# Altium PCB CSUEAF4 - 副本.PcbDoc (continued)
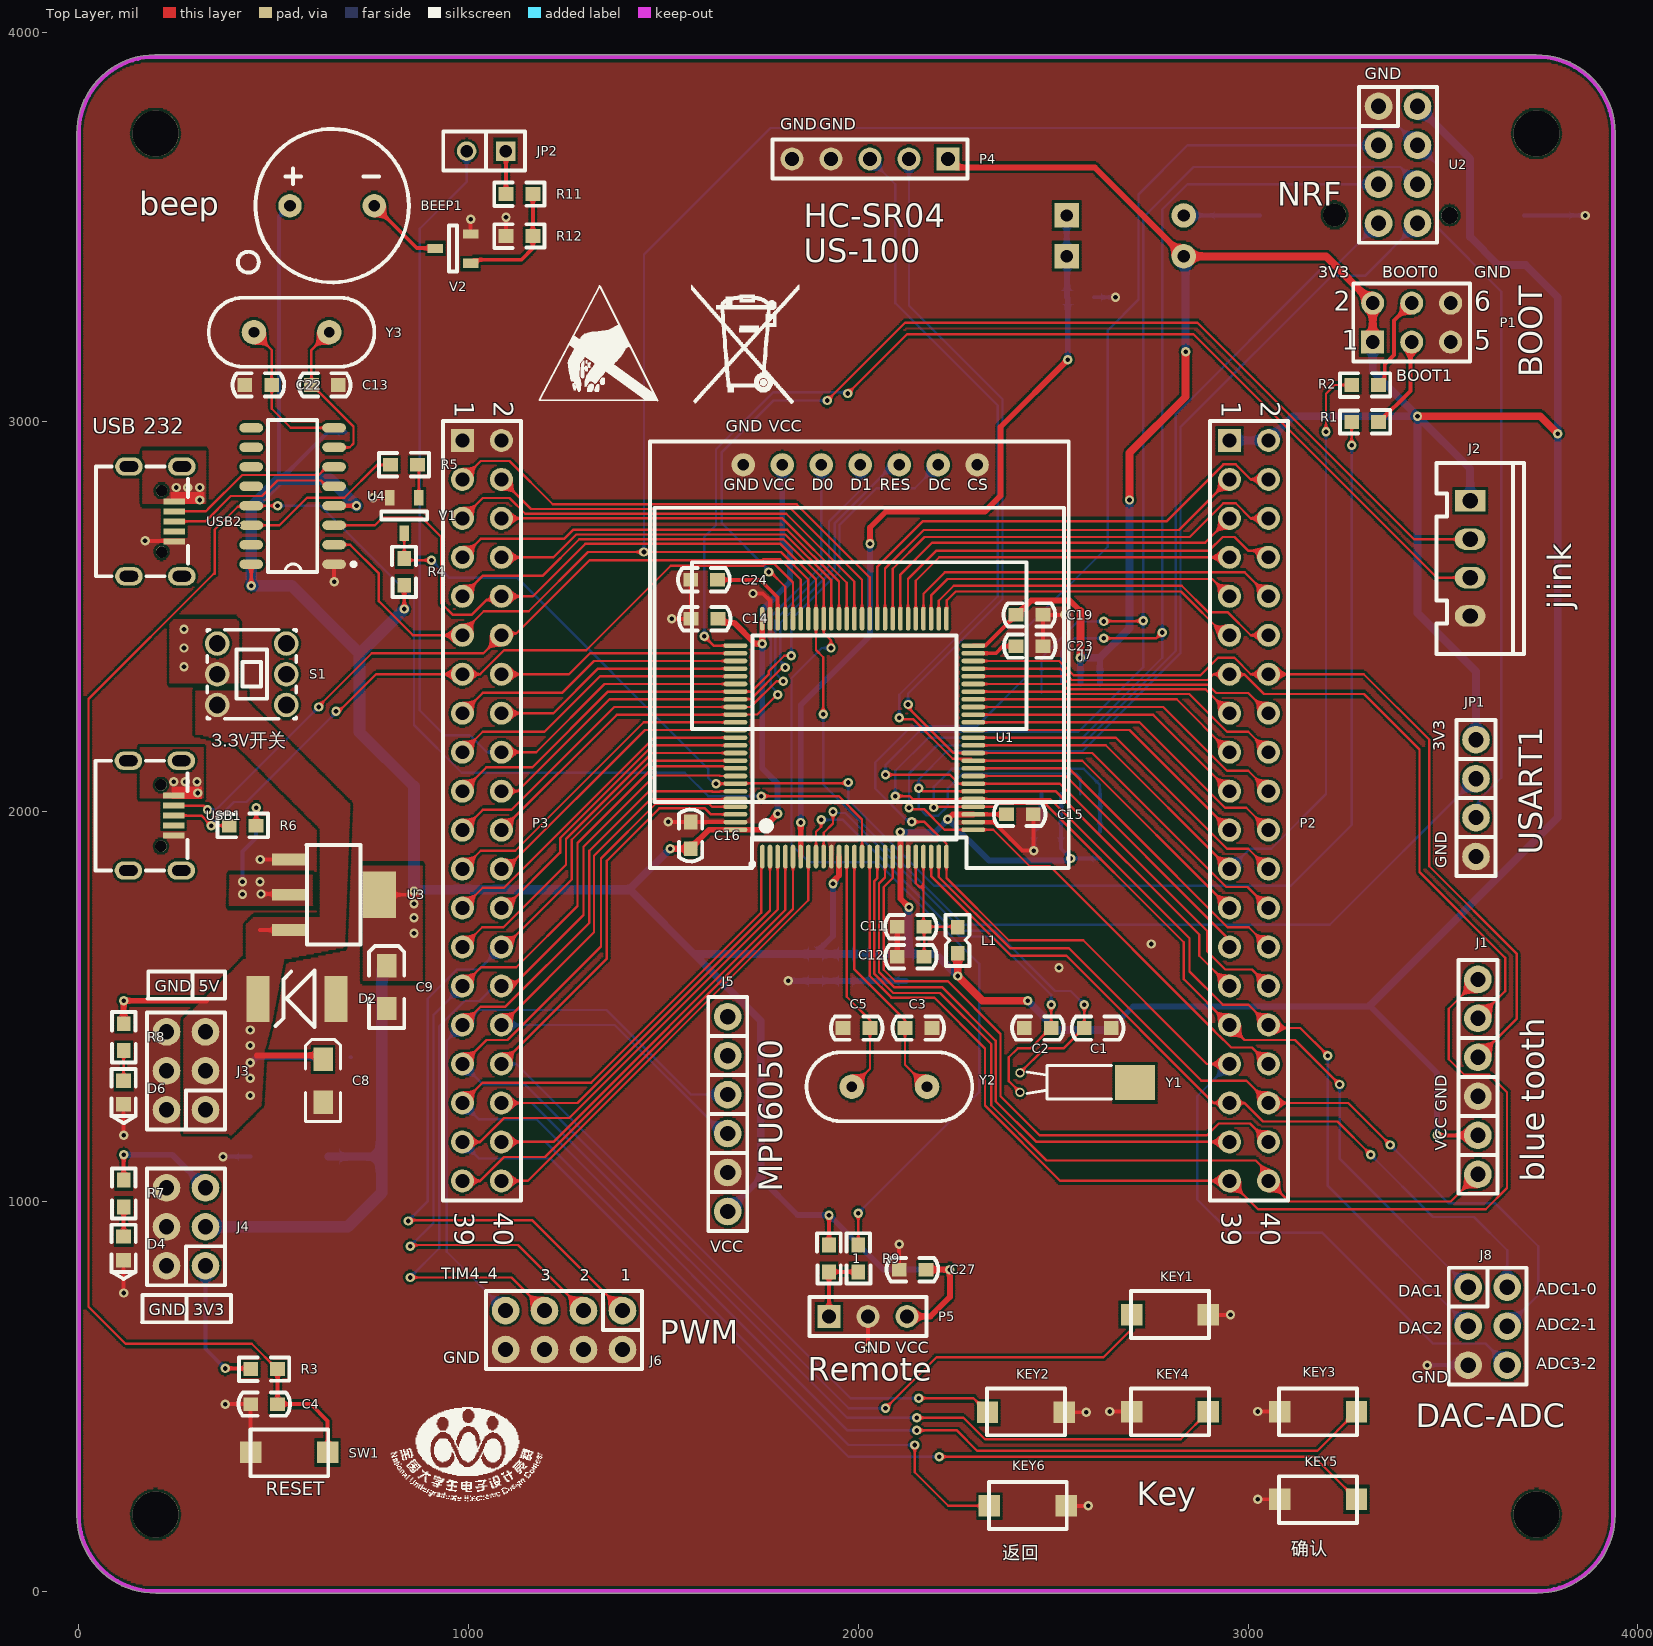
[diagram p0: Top Layer view]
## Free pads (board coordinates) (continued)

## Via types
v1: diameter 24, hole 12, Top Layer to Bottom Layer, tented both sides, 133 vias

## Nets (pads, with @x,y where several pads share a name; then routed paths per layer and width w, separated by ;. In a path a pad name is that pad's centre, name@x,y a point inside that pad or via, vN(x,y) a via of type N, cw(c..) or ccw(c..) an arc to the next point about the centre after c; other vN are vias at no path point)
3V3: 1.1 BEEP1.1 C7.2 C9.1 C10.1 C14.2 C15.2 C16.2 C17.2 C18.2 C19.2 C20.2 C21.2 C26.1 C27.1 D1.2 D5.2 J1.2 J2.1 J4.1 J4.3 J4.5 J5.6 J7.2 JP1.1 L1.2 P1.1 P1.2 P2.1 P2.2 P4.1 P5.3 R3.1 R4.2 R6.1 R7.2 R10.2 U1.11 U1.19 U1.28 U1.50 U1.75 U1.100 U2.2 U3.2 U4.4 U4.16 U5.3 U5.7 U5.8 | length 21256.4
  Top Layer w10: R7.2 v1(115,1120) ; v1(375.58,571.57) 429.43,571.57 436,565 R3.1 ; v1(442.4,2580) U4.16 ; R6.1 v1(455,2010) ; v1(467.5,1788.9) 536.91,1788.9 U3.2@538.86,1786.95 ; U4.4 v1(712.4,2785) ; U3.2@771.14,1786.95 870,1786.95 ; v1(835,2520) R4.2 ; C16.2 C16.2@1569.78,1906.5 ; C14.2 C14.2@1641.5,2495 ; U1.75 U1.75@1753.78,2516.54 ; 1.1 v1(1925,965) ; U1.28 C15.2 ; U1.50 2326.22,2426.22 C19.2 ; v1(3485,1169.69) J1.2
  Top Layer w15: v1(1517.22,1905) C16.2 ; C16.2@1569.78,1906.5 1617.06,1953.78 U1.100 1751.93,1953.78 v1(1793.15,1995) ; C14.2 1650,2485 1681.5,2485 1735.28,2431.22 v1(1753.78,2431.22) U1.75 ; v1(1935,1815) 1935,1820.49 1950.63,1836.12 U1.11 ; v1(2108.11,1948.11) U1.19 2108.39,1884.6 2108.39,1776.61 v1(2130,1755) ; P5.3 2185,705 2235,755 v1(2235,825) C27.1 ; v1(2230,1980.32) 2242.56,1992.87 2294.84,1992.87 U1.28 ; P4.1 2252.03,3652.97 2607.03,3652.97 D5.2 ; C19.2 2406.5,2505 2443.72,2542.22 2542.78,2542.22 2570,2515
  Top Layer w20: L1.2 v1(2255,1578.63) 2318.63,1515 v1(2435,1515) ; v1(2570,2395) 2570,2515 ; v1(2695.83,2800) 2695.83,2920.83 2840,3065 v1(2840,3180) ; D5.2 3200,3425 P1.2 P1.1 ; v1(3435,3015) 3750,3015 v1(3795,2970)
  Bottom Layer w10: J4.1 325,622.16 v1(375.58,571.57) ; v1(420,1820) 420,1897.5 455,1932.5 v1(455,2010) ; 513.76,2865 513.76,3527.02 BEEP1.1 ; 517.76,2852.76 638.5,2973.5 685,2973.5 C10.1 ; C7.2@777,1592.5 789.5,1605 C7.2 ; J5.6@1671.55,967.68 J5.6 1675,974.23 J5.6@1675,984.23 ; U5.3 C26.1 2520,1905 v1(2545,1880) R10.2
  Bottom Layer w15: v1(115,1120) 240,1120 J4.5 ; J5.6@1675,984.23 1750,1059.23 1844.23,965 v1(1925,965) 2065,825 v1(2235,825) ; v1(1793.15,1995) 1793.15,2071.85 1753.78,2111.22 v1(1753.78,2431.22) 1753.78,2518.31 1825,2589.53 1825,2669.5 1805,2689.5 J7.2 ; C18.2 1890.44,1636.5 1935,1681.06 v1(1935,1815) 1937.44,1815 v1@1942.44,1820 ; v1(2108.11,1948.11) 2197.8,1948.11 v1(2230,1980.32) 2335.82,1874.5 2537.06,1874.5 2542.56,1880 v1(2545,1880) ; U5.7 v1(2570,2395) ; U5.8 2620,2395 ; 2645,1440 2705,1500 3310,1500 ; 3312.5,1502.5 3485,1330 v1(3485,1169.69)
  Bottom Layer w20: D1.2 777,1115 780,1115 ; 1407.22,1800 1410.51,1803.29 1413.01,1800.79 ; 1409.72,1797.5 1413.01,1800.79 ; v1(1517.22,1905) 1413.01,1800.79 ; 1580,1635 C18.2 C20.2 C17.2 C21.2 ; 1750,1059.23 1750,1463.8 1596.22,1617.58 1413.01,1800.79 ; v1(2130,1755) 2129.23,1754.23 2129.23,1641.43 C21.2 ; v1(2255,1578.63) 2198.63,1635 C21.2 ; v1(2435,1515) 2510,1440 2645,1440 ; v1(2570,2395) 2620,2395 2695.83,2470.83 v1(2695.83,2800) ; D5.2 2840,3420 2835,3415 2840,3410 v1(2840,3180) ; P2.1 P2.2 3115,3015 v1(3435,3015) ; 3312.5,1502.5 3795,1985 v1(3795,2970) 3795,3320 3712.5,3402.5 3642.5,3402.5 3570,3475 3570,3675 U2.2 ; P1.1 3320,3130 v1(3435,3015) ; J2.1 3558.19,2797.52 3570,2809.33 3570,2880 v1(3435,3015) ; JP1.1 3585,2360 3435,2510 v1(3435,3015)
  Bottom Layer w25: v1(860,1796) 868,1796 872,1800 963.57,1800 964.36,1800.78 1004.15,1800.78 1004.93,1800 1063.57,1800 1064.36,1800.78 1104.15,1800.78 1104.93,1800 1407.22,1800
  Bottom Layer w30: J4.3 690,935 777,1022 777,1115 C7.2@777,1592.5 ; 513.76,2852.76 442.4,2781.4 v1(442.4,2580) 546.05,2580 668.7,2457.35 720.52,2405.53 v1(835,2520) ; 517.76,2852.76 644.65,2852.76 v1(712.4,2785) ; 720,2396 720,2204.67 860,2064.67 v1(860,1796)
  other v1: 860,1688 860,1728 860,1764 420,1788 465,1820
5V: C6.2 C8.1 D2.2 J3.1 J3.3 J3.5 R8.2 S1.3 U3.3 | length 713.7
  Top Layer w10: 465,1696.95 465.55,1696.4 U3.3
  Top Layer w15: R8.2 v1(115,1515) 325.92,1515 326.92,1516 ; 456.36,1374.64 617.27,1374.64 C8.1
  Bottom Layer w15: v1(440,1356) 442.44,1356 456.44,1370 C6.2
  other v1: 440,1272 440,1316 440,1400 440,1440
ADC1_CH0: J8.2 P2.35 U1.23 | length 2020.4
  Top Layer w6: U1.23 2186.85,1835.43 2391.77,1630.51 2534.06,1630.51 2911.81,1252.76 P2.35 2990.92,1252.76 3038.68,1205 3230,1205 v1(3315,1120)
  Bottom Layer w6: v1(3315,1120) 3475,960 3580,960 3665,875 J8.2
ADC2_CH1: J8.4 P2.36 U1.24 | length 2221.3
  Top Layer w6: U1.24 2206.54,1832.71 2389.25,1650 2540,1650 2880,1310 2995.51,1310 P2.36 3257.24,1252.76 v1(3365,1145)
  Bottom Layer w6: v1(3365,1145) 3515,995 3635,995 3745,885 3745,760 J8.4
ADC3_CH2: J8.6 P2.33 U1.25 U2.3 | length 5177.2
  Top Layer w6: v1(2137.24,1974) 2170,1974 2226.22,1917.78 U1.25 2226.22,1830 2386.22,1670 2577.09,1670 2894.33,1352.76 P2.33
  Bottom Layer w6: v1(2137.24,1974) 2129,1974 2043.51,2059.49 2043.51,2126.27 2137.24,2220 2305,2220 2435,2350 2435,2475 2640,2680 2640,3235 2719,3314 2719,3584 2845,3710 U2.3 ; P2.33 2870,1270 2870,1005 2955,920 3190,920 3474.43,635.57 3609.43,635.57 J8.6
BEEP: JP2.2 P3.18 U1.81 | length 2411.5
  Top Layer w6: P3.18 1173.7,2152.76 1348.74,2327.8 U1.81
  Bottom Layer w6: JP2.2 995,3615.75 875,3495.75 875,2260 938.55,2196.45 1003.55,2196.45 1047.24,2152.76 P3.18
BOOT0: R1.2 R4.1 U1.94 V1.3 | length 3990.9
  Top Layer w6: R4.1@830,2655 R4.1 ; V1.3 R4.1 ; v1(905,2645.26) 839.74,2645.26 R4.1 ; v1(1635,2071.89) U1.94 1685.99,2073 1972.48,2073 v1(1974.48,2075) ; v1(3266,2940) R1.2
  Bottom Layer w6: v1(905,2645.26) 949.6,2600.66 1124.34,2600.66 1615,2110 1615,2086.49 1626.49,2075 v1@1635,2075 ; v1(1974.48,2075) 1974.48,2029.77 2194.25,1810 3110,1810 3266,1966 v1(3266,2940)
BOOT1: P2.23 R2.1 U1.37 | length 2218.7
  Top Layer w6: U1.37 2635.2,2170.32 P2.23 ; v1(3200,2975) 3200,3072.7 3222.3,3095 R2.1
  Bottom Layer w6: P2.23 3005,1905 3059.49,1905 3200,2045.51 v1(3200,2975)
CH340_RESET: C4.2 R3.2 SW1.1 U1.14 U4.13 | length 5299.2
  Top Layer w6: 346.21,2610.62 25,2289.41 25,730 120,635 443.5,635 508.5,570 R3.2 ; 348.42,2610.62 348.42,2723.42 407.61,2782.61 440.02,2782.61 U4.13 v1(510,2785) ; v1(1751.1,2040) 1950,2040 2009.68,1980.32 U1.14
  Top Layer w10: R3.2 C4.2 595,480 638.43,436.57 SW1.1
  Bottom Layer w6: v1(510,2785) 620,2785 860,2545 860,2222.52 982.52,2100 1555,2100 1615,2040 v1(1751.1,2040)
CH340_RXD: JP1.2 P3.10 U1.68 U4.3 | length 4074.3
  Top Layer w6: U4.3 760,2735 780,2755 880,2755 930,2705 930,2535 960,2505 1007.32,2505 1045.72,2543.41 1074.91,2543.41 P3.10 1165,2552.76 1299.5,2687.26 1800.24,2687.26 1891.57,2595.93 U1.68 1891.57,2414.99 1910,2396.56 v1(1910,2250)
  Bottom Layer w6: v1(1910,2250) 1910,2070 2270,1710 3210,1710 JP1.2
CH340_TXD: JP1.3 P3.11 U1.69 U2.4 U4.2 | length 6319.4
  Top Layer w6: U4.2 696.14,2685 770,2611.14 770,2540 857.24,2452.76 P3.11 984.25,2459.25 1039.23,2514.23 1154.23,2514.23 1306.26,2666.26 v1(1450,2666.26) 1801.5,2666.26 1871.89,2595.87 U1.69
  Bottom Layer w6: v1(1450,2666.26) 1450,3430 1774.43,3754.43 3390.57,3754.43 U2.4 3485,3660 3485,3500 3650,3335 3650,2087.16 3592.27,2029.43 3592.27,2007.27 3585,2000 JP1.3
CH340_XI: C13.2 U4.7 Y3.2 | length 404
  Top Layer w6: Y3.2 596.81,3184.86 C13.2 598.31,3095 705,2988.31 705,2945 695,2935 U4.7
CH340_XO: C22.2 U4.8 Y3.1 | length 395.6
  Top Layer w6: Y3.1 494.81,3184.86 C22.2 495,3094.81 495,3033.86 543.86,2985 U4.8
D0: J7.3 P3.22 U1.85 | length 1504.1
  Top Layer w6: P3.22 1380.55,2249.06 U1.85 1685.29,2249.47 1740.61,2249.47 1791.15,2300 v1(1793.15,2300)
  Bottom Layer w6: v1(1793.15,2300) 1793.15,2304.96 1775,2323.11 1775,2500 1905,2630 J7.3
D1: J7.4 P3.21 U1.84 | length 1635.9
  Top Layer w6: P3.21 1036.25,2004.76 1109.76,2004.76 1373.74,2268.74 U1.84 1723.74,2268.74 1790,2335 v1(1807.83,2335)
  Bottom Layer w6: v1(1807.83,2335) 1807.74,2335 1787,2355.74 1787,2492 1925,2630 1925,2745 2005,2825 J7.4
DAC1_OUT: J8.1 P2.31 R10.1 U1.29 U5.1 | length 2689.7
  Top Layer w6: v1(2194,2011) 2195.83,2012.83 U1.29 2350.46,2012.83 2357.27,2019.65 2480.65,2019.65 2835,1665.3 2835,1570.51 P2.31 2991.28,1414.23 3120.77,1414.23 v1(3235,1300)
  Bottom Layer w6: v1(2194,2011) 2194,2064 2240,2110 2578.62,2110 2620,2068.62 U5.1 ; v1(3235,1300) 3235,1110 J8.1
  Bottom Layer w10: R10.1 U5.1
DAC2_OUT: J8.3 P2.32 U1.30 U2.5 U5.6 | length 5251.5
  Top Layer w6: v1(2095,2040) 2132.03,2040 2139.51,2032.52 U1.30 2492.48,2032.52 2849.84,1675.16 2849.84,1590.16 2935,1505 3000.51,1505 P2.32 3060.51,1445 3134.23,1445 v1(3205,1374.23) ; v1(2630,2445) 2765,2445 v1(2780,2460)
  Bottom Layer w6: v1(2095,2040) 2095,2105 2180,2190 2575,2190 2780,2395 v1(2780,2460) 2780,3545 2845,3610 3315,3610 3325,3620 U2.5 ; U5.6 2520,2410 2555,2445 v1(2630,2445) ; v1(3205,1374.23) 3205,1040 J8.3
DC: J7.6 P3.19 U1.82 | length 1696.2
  Top Layer w6: P3.19 1045.72,2114.23 1164.23,2114.23 1358.11,2308.11 U1.82 1726.14,2308.11 1770,2351.97 1770,2360 1810,2400 v1(1828.24,2400)
  Bottom Layer w6: v1(1828.24,2400) 1828.24,2493.24 1952,2617 1952,2735.34 2046.66,2830 2145,2830 J7.6
Echo: P2.25 P4.3 U1.35 | length 2724.7
  Top Layer w6: v1(2105,2241) 2108.35,2237.65 2140.38,2237.65 2242.31,2135.72 2290.34,2135.72 U1.35 2574.57,2130.94 P2.25
  Bottom Layer w6: P4.3 2095,3610 2095,3305 2358,3042 2358,2553 2105,2300 v1(2105,2241)
GND: BAT?.2 C1.1 C2.1 C3.1 C4.1 C5.1 C6.1 C7.1 C8.2 C9.2 C10.2 C11.1 C12.1 C13.1 C14.1 C15.1 C16.1 C17.1 C18.1 C19.1 C20.1 C21.1 C22.1 C23.2 C24.2 C25.1 C26.2 C27.2 D1.1 D2.1 D4.K D6.K J1.3 J2.4 J3.2 J3.4 J3.6 J4.2 J4.4 J4.6 J5.5 J6.2 J6.4 J6.6 J6.8 J7.1 J7.7 J8.5 JP1.4 KEY1.2 KEY2.2 KEY3.2 KEY4.2 KEY5.2 KEY6.2 P1.5 P1.6 P3.1 P3.2 P4.4 P4.5 P5.2 R12.1 SW1.2 U1.10 U1.20 U1.27 U1.74 U1.99 U2.1 U3.1 U4.1 U5.4 USB1.5 USB2.5 V1.2 V2.2 | length 2917.2
  Top Layer w10: v1(115,765) D4.K ; v1(115,1170) D6.K ; v1(170,2695) 245.91,2695 USB2.5 ; v1(375.58,480) C4.1 441,363.48 437.52,360 SW1.2 ; v1@465,1876.95 v1(465.55,1877.5) U3.1 ; v1(655,2590) U4.1 ; v1(755,2805.28) V1.2 ; V2.2 v1(1005.28,3520) ; R12.1 v1(1096,3525) ; v1(1512.22,1974) C16.1 1570.31,1973.46 U1.99 ; v1(1521.22,2495) C14.1 1570.5,2495.5 1570.5,2574.5 1570,2575 ; v1(1730,2560) 1755,2560 1773.46,2541.54 U1.74 ; v1(2025,625) P5.2 ; C27.2 v1(2105,890) ; U1.27 2346.54,1973.46 2420,1900 v1(2450,1900) 2450,1992.15 C15.1 C15.1@2449,2000 ; C23.2 C19.1 v1(2530,2505) ; KEY2.2 v1(2585,459.06) ; KEY6.2@2537.48,215 KEY6.2 v1(2590,219.06) ; v1(2645,460.94) KEY4.2 ; KEY1.2 v1(2955,709.06) ; v1(3025,235.94) KEY5.2 ; v1(3025,460.94) KEY3.2
  Top Layer w15: C12.1 C11.1
  Bottom Layer w10: v1(370,1115) D1.1 ; C6.1 C6.1@698.41,1370 ; v1@2451,1905 C26.2 2452.5,1950 2462.5,1960 2462.5,1961.5 2470,1969 U5.4 ; C25.1 v1(2660,3320) ; v1(3460,580) J8.5 J8.5@3560,575 ; BAT?.2 v1(3865,3530)
  Bottom Layer w15: v1(1820,1566) C18.1 C20.1 C17.1 C21.1
  other v1: 2515,1600 2752.06,1660.54
I2C1_SCL: J5.3 J6.7 P3.31 U1.95 | length 2657
  Top Layer w6: P3.31 1031.5,1500 1095,1500 1310,1715 1310,1900 1462.2,2052.2 1624.99,2052.2 1626.3,2050.89 1643.7,2050.89 1645.01,2052.2 U1.95
  Bottom Layer w6: J6.7 944,871 944,1412.5 P3.31 987.76,1452.76 1026.28,1491.28 1353.72,1491.28 1570.77,1274.23 J5.3
I2C1_SDA: J5.4 P3.32 U1.96 | length 1652
  Top Layer w6: P3.32 1322,1690.5 1322,1887 1467.52,2032.52 U1.96
  Bottom Layer w6: P3.32 1375.27,1452.76 1653.8,1174.23 J5.4
I2C2_SCL: J1.5 P2.13 U1.47 | length 2053.3
  Top Layer w6: U1.47 2518.34,2367.17 2547.51,2338 2896.55,2338 2911.3,2352.76 P2.13 2953.77,2351.74 2991.28,2351.74 3041.03,2302 3298,2302 3440,2160 3440,1845 3660,1625 3660,1539.69 J1.5
I2C2_SDA: J1.4 P2.14 U1.48 | length 2240.7
  Top Layer w6: U1.48 2515.63,2386.85 2552.48,2350 2878.31,2350 2923.31,2395 2965,2395 3007.24,2352.76 P2.14 3297.24,2352.76 3465,2185 3465,1860 3690,1635 3690,1469.69 J1.4
I2C3_SCL: P3.9 R9.2 U1.67 | length 3232.2
  Top Layer w6: P3.9 1037.32,2605.82 1190.82,2605.82 1284,2699 1294.27,2699 1294.53,2699.26 1807.83,2699.26 1911.26,2595.83 U1.67 1911.26,2458.74 1930,2440 v1(1930,2420) ; R9.2 v1(2000,970)
  Bottom Layer w6: v1(1930,2420) 1906.26,2420 1828.83,2342.57 1828.83,1915.4 1874.23,1870 2050,1870 2310,1610 2310,1280 v1(2000,970)
I2C3_SDA: P3.8 U1.66 | length 1017.9
  Top Layer w6: P3.8 1217.76,2652.76 1276.26,2711.26 1812.8,2711.26 1930.94,2593.12 U1.66
JTDI: P3.14 U1.77 | length 617.9
  Top Layer w6: P3.14 1257.76,2352.76 1311.54,2406.54 U1.77@1679.88,2406.54
JTDO: P3.26 U1.89 | length 795.2
  Top Layer w6: P3.26 1092.76,1752.76 1235,1895 1235,1931.97 1473.34,2170.32 U1.89
JTRST: P3.27 U1.90 | length 945.5
  Top Layer w6: P3.27 1035.05,1703.55 1089.53,1703.55 1250,1864.02 1250,1930 1470.63,2150.63 U1.90
KEY: J1.1 P2.40 U1.16 | length 2227.2
  Top Layer w6: U1.16 2049.06,1829.78 2041.37,1822.09 2041.37,1583.6 2089.97,1535 2210,1535 2341,1404 2341,1246.8 2482.8,1105 3020,1105 3052.76,1072.24 P2.40 3105.51,1000 3520.31,1000 J1.1
KEY1: KEY1.1 P3.33 U1.97 | length 3321.3
  Top Layer w6: P3.33 1045.72,1414.23 1100.21,1414.23 1340,1654.02 1340,1880 1480.52,2020.52 1617.31,2020.52 1625,2012.83 U1.97 ; v1(2070,469.41) 2200.59,600 2629,600 2701.57,672.57 KEY1.1
  Bottom Layer w6: P3.33 992.24,1352.76 992.24,1344.76 1037.01,1300 1145,1300 1975.59,469.41 v1(2070,469.41)
KEY2: KEY2.1 P3.34 U1.98 | length 2643.1
  Top Layer w6: P3.34 1355,1623.5 1355,1874.37 1489.15,2008.52 1606.48,2008.52 1621.85,1993.15 U1.98 ; v1(2155,495.14) 2295.49,495.14 KEY2.1
  Bottom Layer w6: P3.34 1122.52,1352.76 1980.14,495.14 v1(2155,495.14)
KEY3: KEY3.1 P3.35 U1.1 | length 3819.8
  Top Layer w6: P3.35 1036.5,1305 1315,1305 1751.1,1741.1 1751.1,1863.28 1753.78,1865.96 U1.1 ; v1(2150,412.5) 2252.99,412.5 2305.49,360 3177.48,360 KEY3.1
  Bottom Layer w6: P3.35 1025.71,1211.3 1173.7,1211.3 1972.5,412.5 v1(2150,412.5)
KEY4: KEY4.1 P3.36 U1.2 | length 3233
  Top Layer w6: P3.36 1279.73,1252.76 1773.46,1746.49 U1.2 ; v1(2150,445) 2270,445 2325,390 2827.48,390 KEY4.1
  Bottom Layer w6: P3.36 1163.19,1252.76 1970.94,445 v1(2150,445)
KEY5: KEY5.1 P3.37 U1.3 | length 3868.5
  Top Layer w6: P3.37 1029.77,1152.76 1091.24,1214.23 1258.17,1214.23 1793.15,1749.21 U1.3 ; v1(2207.83,345) 3169.37,345 KEY5.1
  Bottom Layer w6: P3.37 984.25,1147.76 989.25,1147.76 1027.01,1110 1210,1110 1975,345 v1(2207.83,345)
KEY6: KEY6.1 P3.38 U1.4 | length 2792.2
  Top Layer w6: P3.38 1217.76,1152.76 1812.83,1747.83 U1.4 ; v1(2145,375) 2145,305 2230.94,219.06 KEY6.1
  Bottom Layer w6: P3.38 1197.24,1152.76 1975,375 v1(2145,375)
Net1_2: 1.2 P5.1 R9.1 | length 189.4
  Top Layer w10: P5.1 1.2 R9.1
NetBAT?_1: BAT?.1 D3.2 | length 196.4
  Bottom Layer w10: D3.2 BAT?.1
NetBEEP1_2: BEEP1.2 V2.3 | length 202
  Top Layer w10: BEEP1.2 867.17,3446.1 913.62,3446.1 V2.3
NetC11_2: C11.2 C12.2 L1.1 U1.21 U1.22 | length 436.5
  Top Layer w6: U1.21 2147.48,1816.52 2157.17,1806.83 2167.17,1806.83 ; U1.22 2167.17,1806.83 ; C12.2 C11.2 ; L1.1 2253.55,1705 C11.2 ; 2167.17,1806.83 2167.17,1706.83 C11.2
NetC23_1: C23.1 U1.49 | length 117.5
  Top Layer w10: U1.49 2353.17,2406.54 2371.63,2425 C23.1
NetC24_1: C24.1 U1.73 | length 227.8
  Top Layer w10: C24.1 1748.44,2595 1793.15,2550.29 U1.73
NetD4_A: D4.A R7.1 | length 76
  Top Layer w10: D4.A R7.1
NetD6_A: D6.A R8.1 | length 77
  Top Layer w6: D6.A R8.1
NetJP2_1: JP2.1 R11.1 | length 110.4
  Top Layer w10: JP2.1 1096,3694 R11.1
NetP1_3: P1.3 R1.1 | length 241.1
  Top Layer w10: R1.1 3336.5,3000 3416.5,3080 3416.5,3201.5 P1.3
NetP1_4: P1.4 R2.2 | length 246.1
  Top Layer w10: R2.2 3336.5,3095 3351,3109.5 3351,3147.75 3375,3171.75 3375,3260 P1.4
NetR5_1: R5.1 V1.1 | length 76.1
  Top Layer w6: R5.1@869,2880 872.4,2876.6 V1.1
NetR5_2: R5.2 U4.14 | length 421.8
  Top Layer w6: U4.14 515,2735 585.81,2805.81 680.81,2805.81 765,2890 R5.2
NetR11_2: R11.2 R12.2 V2.1 | length 314.6
  Top Layer w10: V2.1 1014.09,3416.41 1135.41,3416.41 1165,3446 R12.2 R11.2
NetU4_5: U4.5 USB2.3 | length 460
  Top Layer w6: USB2.3 325,2745 390,2810 469.72,2810 509.72,2850 621.3,2850 636.3,2835 U4.5
NetU4_6: U4.6 USB2.2 | length 457.8
  Top Layer w6: USB2.2 325.82,2770.59 331.5,2776.27 331.5,2776.5 419.19,2864.19 615.49,2864.19 630.54,2879.24 649.24,2879.24 U4.6
NRF_IRQ: P2.34 U1.26 U2.8 | length 3429
  Top Layer w6: v1(2130,2010) 2133.35,2006.65 2168.66,2006.65 2221.52,1953.78 U1.26 2346.42,1953.78 2440.2,1860 2491.8,1860 2914.23,1437.57 2914.23,1436.8 2936.8,1414.23 2937.57,1414.23 2956.8,1395 3010.51,1395 P2.34
  Bottom Layer w6: v1(2130,2010) 2130,2098.17 2201.83,2170 2571.97,2170 2815,2413.03 2815,3020 3190,3395 3220,3395 U2.8
"OS 8M IN": C5.2 U1.12 Y2.1 | length 634.6
  Top Layer w6: U1.12 1970.32,1525.18 2030,1465.5 C5.2 2030,1340.75 Y2.1
"OS 8M OUT": C3.2 U1.13 Y2.2 | length 667.8
  Top Layer w6: U1.13 1990,1595.5 2120,1465.5 C3.2 2120,1350.75 Y2.2
"OS 32K IN": C2.2 U1.8 Y1.1 | length 1202.6
  Top Layer w6: U1.8 1891.57,1948.43 1904.75,1961.6 v1(1904.75,1979) ; Y1.1 2386.22,1308.78 2386.22,1370 2408.98,1392.76 2441.26,1392.76 2493.5,1445 C2.2 v1(2495,1505)
  Bottom Layer w6: v1(1904.75,1979) 1961,1979 2260,1680 2345,1680 2495,1530 v1(2495,1505)
"OS 32K OUT": C1.2 U1.9 Y1.2 | length 1247.6
  Top Layer w6: U1.9 1911.26,1946.26 1935,1970 v1(1935,2000) ; Y1.2 2477.76,1392.76 2526.26,1392.76 2578.5,1445 C1.2 v1(2580,1505)
  Bottom Layer w6: v1(1935,2000) 1938.35,1996.65 1966.38,1996.65 2268.03,1695 2350,1695 2505,1540 2545,1540 v1(2580,1505)
PA6: P2.29 U1.31 U2.7 U5.2 | length 3864.1
  Top Layer w6: v1(2155,2060) 2157.17,2060 2164.69,2052.48 2294.84,2052.48 U1.31 2507.49,2052.2 2875,1684.7 2875,1630.51 P2.29
  Bottom Layer w6: U5.2 2570,2086.49 2558.49,2098 2268,2098 2230,2060 2230,2015 2205,1990 2185.3,1990 2185.15,1990.15 2174.85,1990.15 2155,2010 v1(2155,2060) 2155,2083 2227,2155 2575,2155 2827,2407 2827,2987 3215,3375 3300,3375 U2.7
PA7: P2.30 U1.32 U2.6 U5.5 | length 4348.7
  Top Layer w6: v1(2070,2095) 2235,2095 2258.11,2071.89 U1.32 2517.51,2071.89 2895,1694.4 2895,1641.8 2941.56,1595.24 3010.27,1595.24 P2.30 ; v1(2630,2488.3) 2630.85,2489.15 2730.15,2489.15 v1(2731,2490)
  Bottom Layer w6: v1(2070,2095) 2070,2120 2155,2205 2565,2205 2731,2371 v1(2731,2490) 2731,3525 2860.43,3654.43 3390.57,3654.43 U2.6 ; U5.5@2470,2304.84 U5.5 2470,2395 2563.3,2488.3 v1(2630,2488.3)
PA11: P3.12 U1.70 USB1.2 | length 2005.9
  Top Layer w6: USB1.2 320,2015.59 v1@330.59,2005 ; v1(615.49,2268.74) 615.49,2270.49 751.54,2406.54 1038.03,2406.54 P3.12 1089.28,2457.78 1122.78,2457.78 1310.26,2645.26 1753.59,2645.26 1756.33,2648 1800,2648 1852.2,2595.8 U1.70
  Bottom Layer w6: v1(330,2005) 351.75,2005 v1(615.49,2268.74) 615.22,2268.74 v1@613.71,2270.24
PA12: P3.13 R6.2 U1.71 USB1.3 | length 2050.5
  Top Layer w6: USB1.3 314.41,1990 v1(340,1964.41) R6.2 ; v1(660,2257.5) 660,2250 762.76,2352.76 P3.13 1029.77,2352.76 1091.24,2414.23 1302.26,2414.23 1519.03,2631 1756.3,2631 1761.3,2636 1784.93,2636 1832.52,2588.41 U1.71
  Bottom Layer w6: v1(340,1964.41) 340,1966.83 398.17,2025 430,2025 660,2255 v1(660,2257.5)
PA13: J2.2 U1.72 | length 2785.9
  Top Layer w6: v1(1770,2615) 1775,2615 1812.83,2577.17 U1.72 ; v1(1920,3055) 1920.63,3055 2120.63,3255 2870,3255 3425.91,2699.09 J2.2
  Bottom Layer w6: v1(1770,2615) 1770,2620 1650,2740 1650,2922.76 1782.24,3055 v1(1920,3055)
PA14: J2.3 U1.76 | length 2900.4
  Top Layer w6: v1(1605,2450) 1628.78,2426.22 U1.76 ; v1(1973,3073) 2125,3225 2860,3225 3484.34,2600.66 J2.3
  Bottom Layer w6: v1(1605,2450) 1605,2705 1635,2735 1635,2930 1781,3076 1970,3076 v1(1973,3073)
PB1: P2.26 P4.2 U1.36 | length 2747.9
  Top Layer w6: v1(2127.8,2275) 2127.8,2272.8 2125,2270 2244.37,2150.63 U1.36 2600.4,2150.63 2944.19,1806.83 2998.68,1806.83 P2.26
  Bottom Layer w6: v1(2127.8,2275) 2127.8,2302.8 2370,2545 2370,3058.3 2130,3298.3 P4.2
PB5: J6.1 P3.28 U1.91 | length 2341
  Top Layer w6: v1@845,952.16 1162.84,952.16 J6.1 ; P3.28 P3.28@1084.25,1671.53 ; P3.28@1098.56,1659.78 1265,1826.22 1265,1928.03 1467.92,2130.94 U1.91
  Bottom Layer w6: v1(845,950) 895,1000 895,1520 970,1595 1026.5,1595 P3.28
PB6: J6.3 P3.29 U1.92 | length 2269.4
  Top Layer w6: v1@850,888.37 1126.63,888.37 J6.3 ; P3.29 1032.21,1600.71 1122.2,1600.71 1279.73,1758.24 1279.73,1919.73 1477,2117 1653.14,2117 1658.88,2111.26 U1.92
  Bottom Layer w6: v1(850,885) 910,945 910,1478.5 P3.29
PB7: J6.5 P3.30 U1.93 | length 2185.5
  Top Layer w6: v1(850,805) 1110,805 J6.5 ; P3.30 1112.76,1552.76 1295,1735 1295,1910 1477.89,2092.89 1643.7,2092.89 1645.01,2091.57 U1.93
  Bottom Layer w6: v1(850,805) 925,880 925,1450 989.23,1514.23 1027.76,1514.23 1056.13,1542.6 1074.1,1542.6 P3.30
PB12: P2.11 U1.51 | length 829
  Top Layer w6: U1.51 2227.22,2496.12 2227.22,2542.22 2250,2565 2828.03,2565 2940.27,2452.76 P2.11
PB13: P2.12 U1.52 | length 961.3
  Top Layer w6: U1.52 2206.54,2541.54 2245,2580 2830,2580 2898.55,2511.45 2948.54,2511.45 3007.24,2452.76 P2.12
PB14: P2.9 U1.53 | length 861.7
  Top Layer w6: U1.53 2186.85,2555 2229.06,2597.2 2908.31,2597.2 P2.9
PB15: P2.10 U1.54 | length 997.9
  Top Layer w6: U1.54 2167.17,2559.17 2222.23,2614.23 2991.28,2614.23 P2.10
PC0: J1.6 P2.39 U1.15 | length 2964.4
  Top Layer w6: U1.15 2029.37,1578.63 2085,1523 2194.76,1523 2325,1392.76 2325,1245.82 2518.07,1052.76 P2.39 3025.51,980 3610,980 3664.74,1034.74 3664.74,1280.26 3619.74,1325.26 3554.74,1325.26 3515,1365 3515,1494.69 J1.6
PC2: P2.37 U1.17 | length 1473.6
  Top Layer w6: U1.17 2068.74,1831 2053.37,1815.63 2053.37,1588.57 2091.94,1550 2215,1550 2353,1412 2353,1256.69 2456.93,1152.76 P2.37
PC3: P2.38 U1.18 | length 1589.2
  Top Layer w6: U1.18 2088.43,1830.01 2065.37,1806.96 2065.37,1594.29 2094.66,1565 2230,1565 2365,1430 2365,1270 2465.31,1169.69 2894.69,1169.69 2925,1200 3005.51,1200 P2.38
PC4: P2.27 U1.33 | length 850.1
  Top Layer w6: U1.33 2532.12,2091.57 2942.6,1681.09 2942.6,1662.91 P2.27
PC5: P2.28 U1.34 | length 947.9
  Top Layer w6: U1.34 2540.41,2111.26 2818,1833.67 2818,1833.03 2947.47,1703.55 3001.96,1703.55 P2.28
PC6: P3.5 U1.63 | length 1211.3
  Top Layer w6: P3.5 1036.5,2805 1105,2805 1145.24,2764.76 1815.24,2764.76 1990,2590 U1.63
PC7: P3.6 U1.64 | length 1047
  Top Layer w6: P3.6 1805.25,2752.76 1970.32,2587.69 U1.64
PC8: P3.7 U1.65 | length 1145.9
  Top Layer w6: P3.7 1031.5,2700 1245,2700 1268.26,2723.26 1817.77,2723.26 1950.63,2590.4 U1.65
PC10: P3.15 U1.78 | length 756.2
  Top Layer w6: P3.15 1036.5,2305 1240,2305 1321.85,2386.85 U1.78
PC11: P3.16 U1.79 | length 648
  Top Layer w6: P3.16 1217.76,2252.76 1332.17,2367.17 U1.79
PC12: P3.17 U1.80 | length 781.3
  Top Layer w6: P3.17 1036.5,2205 1195,2205 1337.48,2347.48 U1.80
PC13: P3.40 U1.7 | length 1197.9
  Top Layer w6: P3.40 1151.7,1052.76 1871.89,1772.95 U1.7
PD2: J7.5 P3.20 U1.83 | length 1521
  Top Layer w6: P3.20 1125.93,2052.76 1361.59,2288.43 U1.83 1685.85,2289.39 1724.39,2289.39 1805,2370 v1(1812.83,2370)
  Bottom Layer w6: v1(1812.83,2370) 1812.83,2374.03 1800,2386.86 1800,2485 1940,2625 1940,2741 2078.67,2879.67 2094.67,2879.67 J7.5
PD5: P3.23 U1.86 | length 856.6
  Top Layer w6: P3.23 1031.5,1900 1120,1900 1449.37,2229.37 U1.86
PD6: P3.24 U1.87 | length 748.5
  Top Layer w6: P3.24 1095.51,1852.76 1452.44,2209.68 U1.87
PD7: P3.25 U1.88 | length 881.7
  Top Layer w6: P3.25 1036.5,1805 1091.06,1805 1476.06,2190 U1.88
PD8: P2.7 U1.55 | length 927.6
  Top Layer w6: U1.55 2147.48,2592.48 2207.76,2652.76 P2.7
PD9: P2.8 U1.56 | length 1093.3
  Top Layer w6: U1.56 2127.8,2597.2 2200.59,2670 2900,2670 2935,2705 2965,2705 3000,2670 3035.51,2670 P2.8
PD10: P2.5 U1.57 | length 1017.9
  Top Layer w6: U1.57 2108.11,2608.7 2189.41,2690 2890,2690 P2.5
PD11: P2.6 U1.58 | length 1178.1
  Top Layer w6: U1.58 2088.43,2623.43 2170,2705 2850.51,2705 2936.8,2791.28 2968.71,2791.28 3007.24,2752.76 P2.6
PD12: P2.3 U1.59 | length 1107.5
  Top Layer w6: U1.59 2068.74,2623.74 2168,2723 2823,2723 P2.3
PD13: P2.4 U1.60 | length 1262.2
  Top Layer w6: U1.60 2049.06,2629.06 2165,2745 2790.51,2745 2936.8,2891.28 2968.71,2891.28 3007.24,2852.76 P2.4
PD14: P3.3 U1.61 | length 1294.6
  Top Layer w6: P3.3 1031.5,2900 1105,2900 1216.24,2788.76 1841.87,2788.76 2029.37,2601.26 U1.61
PD15: P3.4 U1.62 | length 1132.3
  Top Layer w6: P3.4 1160.25,2776.76 1828.24,2776.76 2009.68,2595.32 U1.62
PE6: P3.39 U1.5 | length 1271.6
  Top Layer w6: P3.39 1029.77,1052.76 1091.24,1114.23 1196.2,1114.23 1832.52,1750.55 U1.5
PE7: P2.24 U1.38 | length 897.3
  Top Layer w6: U1.38 2661.03,2190 2946.03,1905 3000.51,1905 P2.24
PE8: P2.21 U1.39 | length 764.1
  Top Layer w6: U1.39 2695.83,2209.68 P2.21
PE9: P2.22 U1.40 | length 872.2
  Top Layer w6: U1.40 2721.66,2229.37 2941.03,2010 2995.51,2010 P2.22
PE10: P2.19 U1.41 | length 738.9
  Top Layer w6: U1.41 2756.46,2249.06 P2.19
PE11: P2.20 U1.42 | length 847.1
  Top Layer w6: U1.42 2782.29,2268.74 2946.03,2105 3000.51,2105 P2.20
PE12: P2.17 U1.43 | length 713.8
  Top Layer w6: U1.43 2817.09,2288.43 P2.17
PE13: P2.18 U1.44 | length 822
  Top Layer w6: U1.44 2526.49,2308.11 2532.6,2302 2849.03,2302 2946.03,2205 3000.51,2205 P2.18
PE14: P2.15 U1.45 | length 688.7
  Top Layer w6: U1.45 2523.77,2327.8 2537.57,2314 2891.51,2314 P2.15
PE15: P2.16 U1.46 | length 796.9
  Top Layer w6: U1.46 2521.06,2347.48 2542.54,2326 2897.11,2326 2918.47,2304.64 3000.87,2304.64 P2.16
VBAT: C25.2 D3.1 D5.1 U1.6 | length 2079.3
  Top Layer w15: U1.6 v1(1852.2,1972.2) ; v1(2030,2687.26) 2030,2729.43 2071.16,2770.59 2323.82,2770.59 2324.41,2770 2365,2810.59 2365,2987.43 v1(2537.57,3160)
  Bottom Layer w10: D5.1 D5.1@2536,3424
  Bottom Layer w15: v1(1852.2,1972.2) 1852.2,2274.05 2030,2451.85 v1(2030,2687.26) ; D5.1 D3.1 ; D5.1@2536,3424 C25.2 2537.57,3318.43 v1(2537.57,3160)
VUSB: S1.2 USB1.1 USB2.1 | length 143.2
  Top Layer w10: USB1.1@238.05,2041.18 USB1.1 250.14,2048 v1(305,2048) ; USB2.1 256.55,2808 264.55,2800 v1(310,2800)
  other v1: 243.32,2077 272.82,2077 303.32,2077 270,2372 270,2420 270,2468 250,2832 279.5,2832 310,2832
pads on no net: BAT?.0 J5.1 J5.2 S1.1 S1.4 S1.5 S1.6 U4.9 U4.10 U4.11 U4.12 U4.15 USB1. USB1.4 USB1.6 USB2. USB2.4 USB2.6 Y1.3

## Polygon pours and split planes (outlines as drawn)
GND on Bottom Layer "NONET_L02_P-001" (hatched Horizontal grid 4 track 5, remove dead copper, pour order 38): -5.01,194.97 cw(c0,195) -4.93,195.93 cw(c0,196.85) -5.01,196.85 -5.01,3739.98 cw(c196,3741) 194.97,3942.02 cw(c195,3937.01) 195.93,3941.94 cw(c196.85,3937.01) 196.85,3942.02 3739.98,3942.02 cw(c3741,3741) 3942.02,3742.03 cw(c3937.01,3742.01) 3942.02,3742.01 cw(c3937.01,3742.01) 3941.94,3741.08 cw(c3937.01,3740.16) 3942.02,3740.16 3942.02,197.03 ccw(c3741,196) 3942.02,197.03 cw(c3741,196) 3942.03,196 cw(c3741,196) 3742.03,-5.01 cw(c3742.01,0) 3741.08,-4.93 cw(c3740.16,0) 3740.16,-5.01 196.85,-5.01 197.03,-5.02 ccw(c197.01,0) 197.07,-5.01 197.03,-5.02 cw(c196,196)
3V3 on Bottom Layer "NONET_L02_P-001" (hatched Horizontal grid 4 track 5, remove dead copper, pour order 32): 392.11,1844 396.11,1840 756,1840 760,1836 760,1757.5 389.58,1757.5
no net on Bottom Layer "NONET_L02_P-001" (hatched Horizontal grid 4 track 5, remove dead copper, pour order 28): 374.55,980
3V3 on Bottom Layer "NONET_L02_P-001" (hatched Horizontal grid 4 track 5, remove dead copper, pour order 26): 279.5,1075 280.27,1074.23 374.55,1074.23 374.55,786.03 375.58,785 365.58,775 280,775
5V on Bottom Layer "NONET_L02_P-001" (hatched Horizontal grid 4 track 5, remove dead copper, pour order 24): 285,1470 455,1470 470,1455 465,1450 465,1195 284.1,1195
3V3 on Bottom Layer "NONET_L02_P-001" (hatched Horizontal grid 4 track 5, remove dead copper, pour order 22): 735,1849.25 739.25,1845 875,1845 875,1670 880,1665 855,1640 820,1640 820,1594.7 800,1574.7 799.7,1575 745,1575
VUSB on Bottom Layer "Bottom Layer-No Net" (hatched Horizontal grid 4 track 5, pour order 8): 179.72,2035 322.89,2035 322.89,2062.47 322.89,2479.43 225,2444
VUSB on Bottom Layer "Bottom Layer-No Net" (hatched Horizontal grid 4 track 5, pour order 2): 400.91,2324 400.91,2772.76 237.92,2772.76 237.92,2324
VUSB on Bottom Layer "Bottom Layer-No Net" (hatched Horizontal grid 4 track 5, pour order 0): 235.52,2849.05 400,2852.55 400,2735 235.52,2735
GND on Top Layer "NONET_L02_P-001" (hatched Horizontal grid 4 track 5, remove dead copper, pour order 36): -5.01,194.97 cw(c0,195) -4.93,195.93 cw(c0,196.85) -5.01,196.85 -5.01,3739.98 cw(c196,3741) 194.97,3942.02 cw(c195,3937.01) 195.93,3941.94 cw(c196.85,3937.01) 196.85,3942.02 3739.98,3942.02 cw(c3741,3741) 3942.02,3742.03 cw(c3937.01,3742.01) 3942.02,3742.01 cw(c3937.01,3742.01) 3941.94,3741.08 cw(c3937.01,3740.16) 3942.02,3740.16 3942.02,197.03 ccw(c3741,196) 3942.02,197.03 cw(c3741,196) 3942.03,196 cw(c3741,196) 3742.03,-5.01 cw(c3742.01,0) 3741.08,-4.93 cw(c3740.16,0) 3740.16,-5.01 196.85,-5.01 197.03,-5.02 ccw(c197.01,0) 197.07,-5.01 197.03,-5.02 cw(c196,196)
no net on Top Layer "NONET_L02_P-001" (hatched Horizontal grid 4 track 5, remove dead copper, pour order 20): 805,1566
3V3 on Top Layer "NONET_L02_P-001" (hatched Horizontal grid 4 track 5, remove dead copper, pour order 18): 730,1863.28 880,1863.28 880,1566 730,1566
3V3 on Top Layer "NONET_L02_P-001" (hatched Horizontal grid 4 track 5, remove dead copper, pour order 16): 388.03,1840 598,1840 598,1762.24 602,1758.24 599.76,1756 386.25,1756
5V on Top Layer "NONET_L02_P-001" (hatched Horizontal grid 4 track 5, remove dead copper, pour order 14): 430,2284 506,2208 695,2019 681.13,1652.97 525,1620 506,1520 494.61,1460.04 475,1385 475,1374.64 467.5,1247.19 390,1169.69 384.69,1175 270,1175 270,1466.9 426.6,1623.5 430,1623.5 430,1710 450,1730 620,1730 620,1956.4 406.4,2170 325,2195 309.99,2199.61
VUSB on Top Layer "NONET_L02_P-001" (hatched Horizontal grid 4 track 5, remove dead copper, pour order 12): 234.47,2495 400.92,2495 410,2485.92 410,2330 272.2,2330 234.47,2328.56
5V on Top Layer "NONET_L02_P-001" (hatched Horizontal grid 4 track 5, remove dead copper, pour order 10): 300,2310 430,2310 430,2200 435,2195 300,2200
VUSB on Top Layer "Bottom Layer-No Net" (hatched Horizontal grid 4 track 5, pour order 6): 158.32,2165 318.32,2165 318.32,2035 158.32,2035
VUSB on Top Layer "Bottom Layer-No Net" (hatched Horizontal grid 4 track 5, pour order 4): 164.82,2926.76 324.83,2926.76 324.83,2791.76 322.44,2789.37 164.82,2789.37

## Keep-outs
Keep-Out Layer:
  lines w10: 0,195 ccw(c196,196) 197.01,0 ; 0,196.85 0,3740.16 ; 0,3740 cw(c196,3741) 195,3937.01 ; 196.85,0 3740.16,0 ; 196.85,3937.01 3740.16,3937.01 ; 3740,3937.01 cw(c3741,3741) 3937.01,3742.01 ; 3742.01,0 ccw(c3741,196) 3937.01,197.01 ; 3937.01,196.85 3937.01,3740.16

## Other copper
Top Layer:
  rectangle net VUSB: 228.54,2064.89 313.32,2065
  rectangle net VUSB: 238.05,2032.52 315.82,2065
  rectangle net VUSB: 235,2789.37 322.5,2820
  rectangle net VUSB: 235.21,2819.89 320,2820
  text "TOP" at 280,4040 h60
Bottom Layer:
  text "BUTTOM" at 920,4040 h60

## Silkscreen, mask and mechanical layers (free items; w line width, h text height)
Top Overlay:
  drawing of 1969 lines, arcs and shapes, not listed
  text "GND" at 3300,3880 h30
  text "GND" at 1800,3750 h30
  text "GND" at 1900,3750 h30
  text "NRF" at 3075,3555 h60
  text "beep" at 155,3530 h60
  text "HC-SR04 / US-100" at 1860,3410 h60
  text "3V3" at 3180,3370 h30
  text "BOOT0" at 3345,3370 h30
  text "GND" at 3580,3370 h30
  text "BOOT" at 3755,3115 h60 r90
  text "BOOT1" at 3380,3105 h30
  text "GND" at 1660,2975 h30
  text "VCC" at 1770.77,2975 h30
  text "USB 232" at 35,2970 h40
  text "jlink" at 3830,2520 h60 r90
  text "3.3V开关" at 340,2155 h60
  text "3V3" at 3505,2155 h30 r90
  text "USART1" at 3755,1890 h60 r90
  text "GND" at 3510,1855 h30 r90
  text "GND" at 195,1538 h30
  text "5V" at 308.32,1538 h30
  text "GND" at 3510,1230 h30 r90
  text "VCC" at 3510,1130 h30 r90
  text "blue tooth" at 3760,1050 h60 r90
  text "MPU6050" at 1805,1025 h60 r90
  text "VCC" at 1620.77,870 h30
  text "TIM4_4" at 930,800.94 h30
  text "3" at 1185,796 h30
  text "2" at 1285,796 h30
  text "1" at 1390,796 h30
  text "ADC1-0" at 3740.16,760 h30
  text "DAC1" at 3385,755 h30
  text "GND" at 180,708 h30
  text "3V3" at 293.32,708 h30
  text "ADC2-1" at 3739.69,670 h30
  text "DAC2" at 3385,660 h30
  text "PWM" at 1490,635 h60
  text "GND" at 1990,610 h30
  text "VCC" at 2095.77,610 h30
  text "GND" at 935,585 h30
  text "ADC3-2" at 3739.69,570 h30
  text "Remote" at 1870,540 h60
  text "GND" at 3420,535 h30
  text "DAC-ADC" at 3430,420 h60
  text "RESET" at 480,235 h60
  text "Key" at 2715,220.76 h60
  text "确认" at 3110,80 h60
  text "返回" at 2370,70 h60
Bottom Overlay:
  drawing of 5356 lines, arcs and shapes, not listed
  text "STM3F407VET6核心板V1.0" at 1270,478 h80
  text "中南大学电子设计爱好者协会" at 1275,375 h80
  text "电气1705陈宝轩" at 1260,254 h80
  text "资源： / CH340+USB5V转3.3供电 / 0.96OLED（SPI） / 蓝牙 / 按键*6 / NRF / 超声波测距：HC-SR04/US-100 / 蜂鸣器 / 4*PWM（tim4_1.2.3.4） / MPU6050（IIC） / 红外:HS0038 / DAC*2 / ADC*3 / RTC时钟电池" at 2865,90 h70

## Text inside footprints (layer, text, board x,y; h text height)
J7: Top Overlay "CS" at 2280,2815 h50; Top Overlay "DC" at 2180,2815 h50; Top Overlay "RES" at 2055,2815 h50; Top Overlay "D1" at 1980,2815 h50; Top Overlay "D0" at 1880,2815 h50; Top Overlay "VCC" at 1755,2815 h50; Top Overlay "GND" at 1655,2815 h50
P1: Top Overlay "5" at 3580,3185 h50; Top Overlay "6" at 3580,3285 h50; Top Overlay "2" at 3220,3285 h50; Top Overlay "1" at 3240,3185 h50
P2: Top Overlay "1" at 2932.76,3052.76 h50 r270; Top Overlay "2" at 3032.76,3052.76 h50 r270; Top Overlay "40" at 3032.76,972.76 h50 r270; Top Overlay "39" at 2932.76,972.76 h50 r270
P3: Top Overlay "1" at 964.25,3052.76 h50 r270; Top Overlay "2" at 1064.25,3052.76 h50 r270; Top Overlay "40" at 1064.25,972.76 h50 r270; Top Overlay "39" at 964.25,972.76 h50 r270